# Altium PCB CZ201E_Weld_V2.0.PcbDoc
Units mm, origin at the board's own origin, x right, y up, seen from the top; angles counter-clockwise.
Board outline 58.8 x 55 mm, 2 copper layers (Top Layer, Bottom Layer); 61 components, 39 nets, 197 pads, 0 vias.
Unrouted connection lines stored in the file: 124.
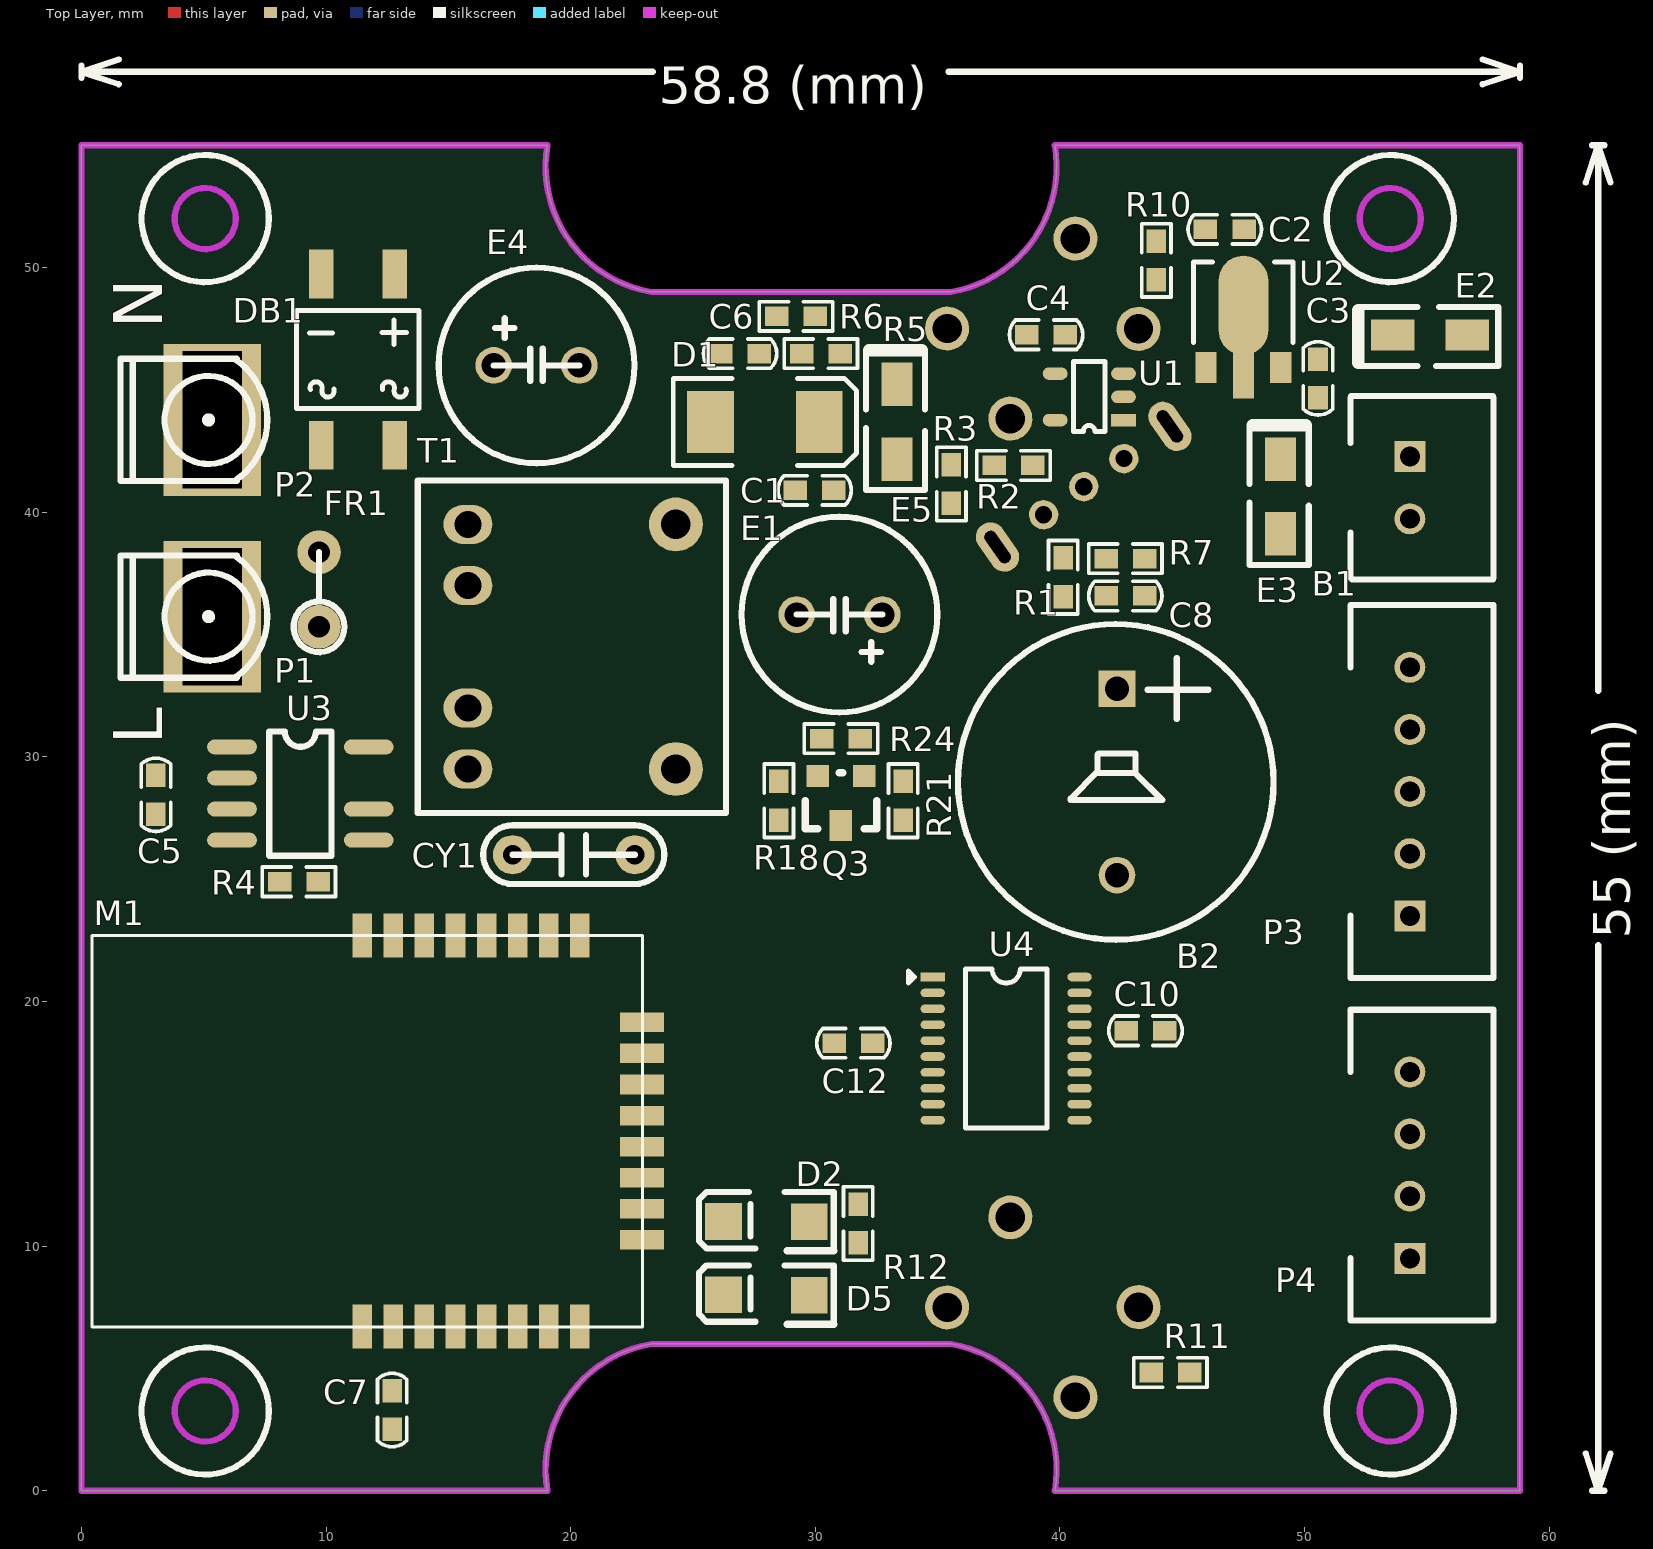
[diagram p0: Top Layer view]
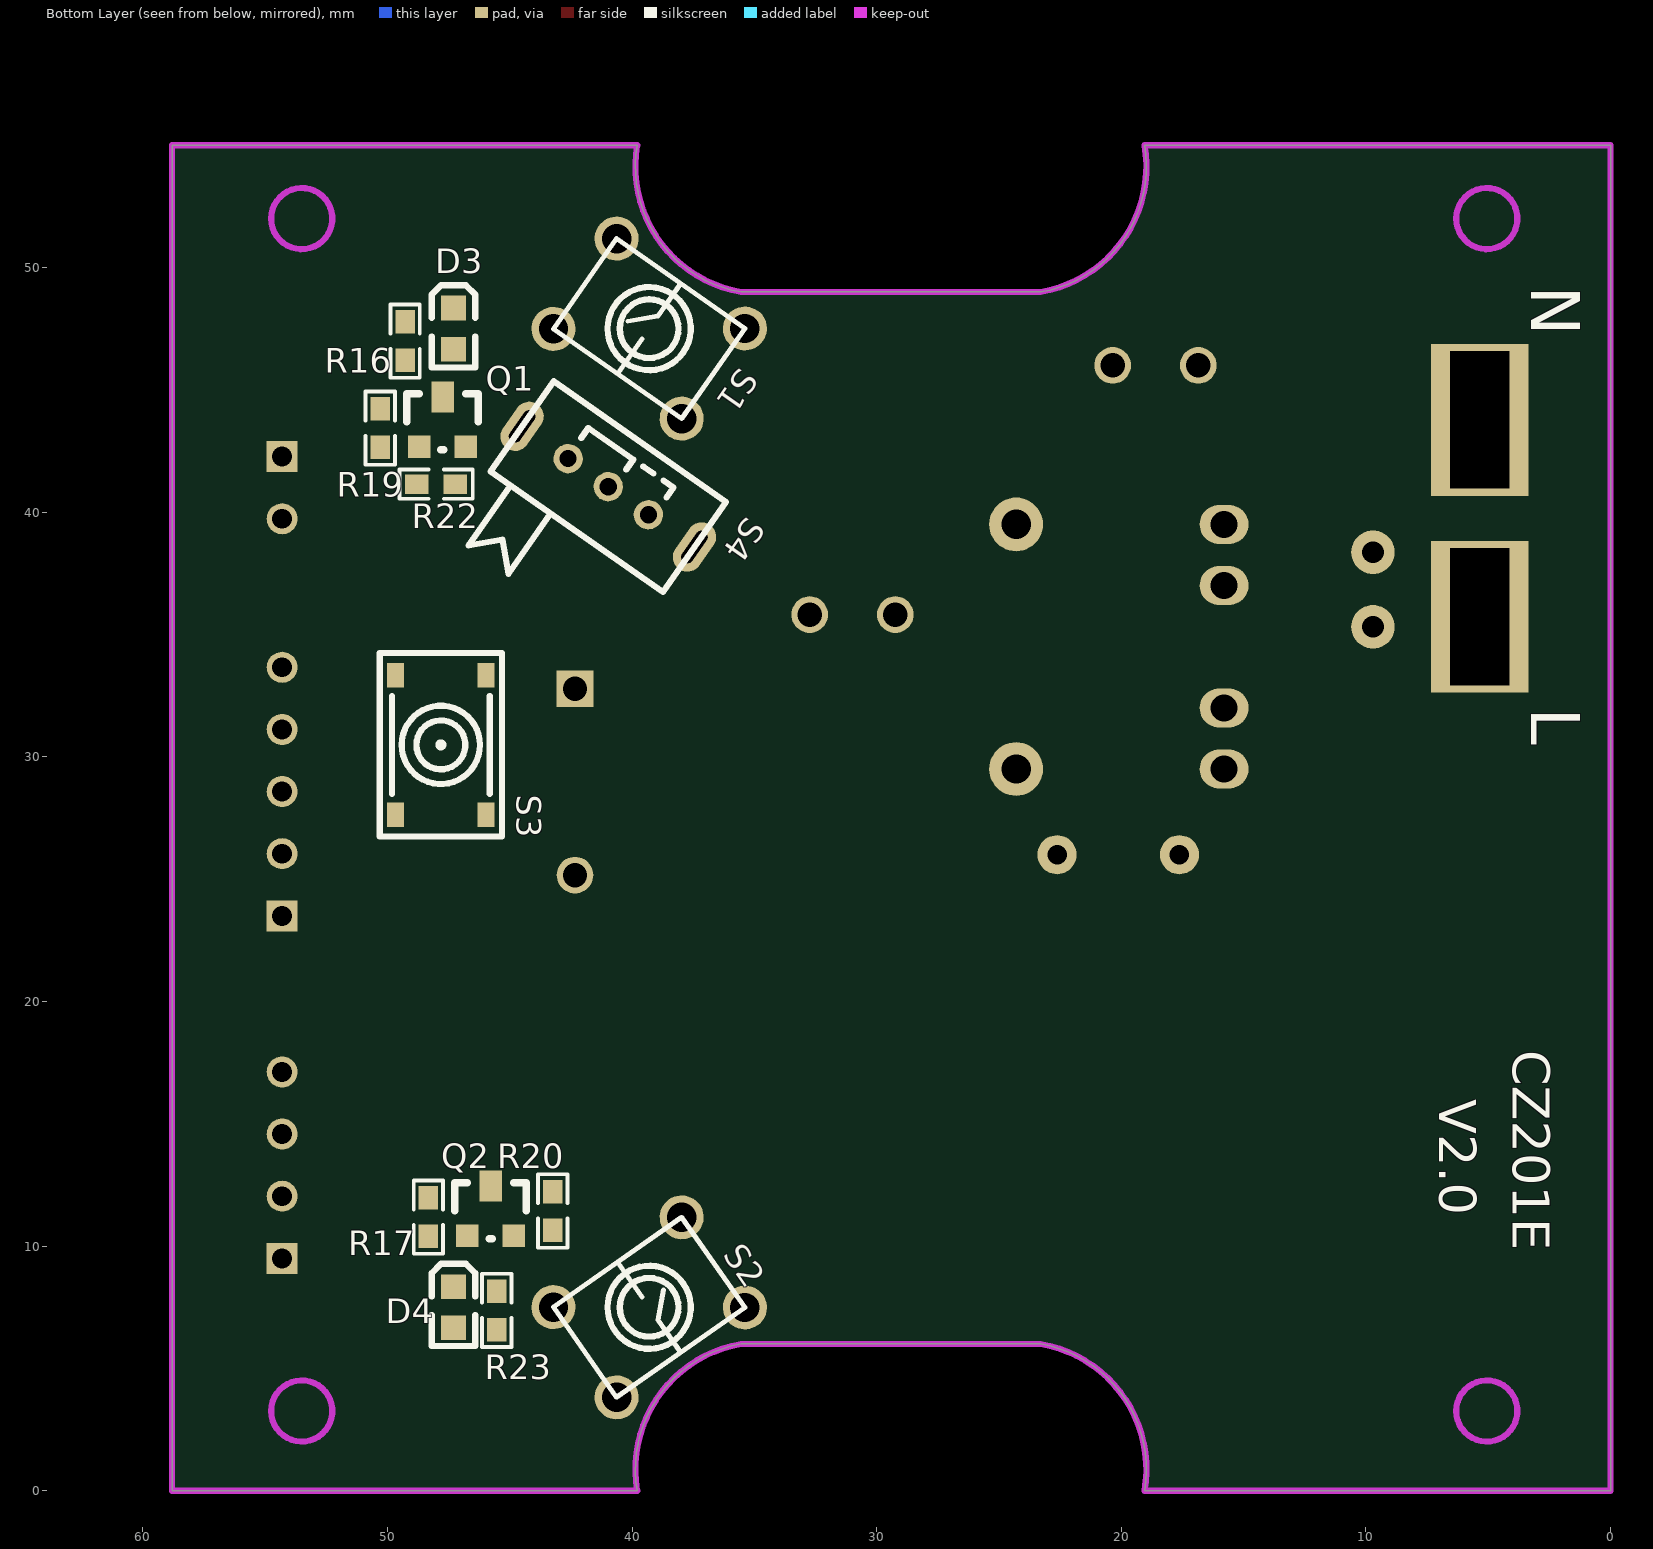
[diagram p1: Bottom Layer view, seen from below]

## Layer stack, top to bottom
Top Layer: signal copper 0.0356
Dielectric: dielectric 0.32, FR-4, Dk 4.8
Bottom Layer: signal copper 0.0356

## Board outline
0,0 0,55 19.05,55 ccw(c24.175,54.125) 23.3,49 35.54,49 ccw(c34.665,54.125) 39.79,55 39.8,55 58.8,55 58.8,0 39.8,0 39.79,0 ccw(c34.665,0.875) 35.54,6 23.3,6 ccw(c24.175,0.875) 19.05,0

## Design rules (kind name [scope] priority, off if disabled: settings)
Clearance "InPoygon to Keep-Out Layer" [InPolygon vs OnLayer('Keep-Out Layer')] p1: gap=0.5
Clearance "GND to Keep-Out Layer" [InNet('GND') vs OnLayer('Keep-Out Layer')] p2: gap=0.3
Clearance "GND to InPoygon" [InNet('GND') vs InPolygon] p3: gap=0.5
Clearance "InPoygon to All" [InPolygon] p4: gap=0.305
Clearance [All] p5: gap=0.254
HoleToHoleClearance [All] p1: gap=0 allowstackedmicrovias=TRUE
MinimumSolderMaskSliver [All] p1: minsoldermaskwidth=0
PolygonConnect IsVia [IsVia] p1: connectstyle=Direct reliefconductorwidth=0.254 reliefentries=4 polygonreliefangle="90 Angle"
PolygonConnect IsSMDPad [All] p2: connectstyle=Direct reliefconductorwidth=0.254 reliefentries=4 polygonreliefangle="90 Angle"
PolygonConnect [All] p3: connectstyle=Relief reliefconductorwidth=0.508 reliefentries=4 polygonreliefangle="90 Angle"
RoutingVias [All] p1: holewidth=0.711 width=1.27 viastyle="Through Hole" minholewidth=0.711 minwidth=1.27 maxholewidth=0.711 maxwidth=1.27
SilkToSilkClearance [All] p1: silktosilkclearance=0
SilkscreenOverComponentPads [All] p1: minsilkscreentomaskgap=0
SolderMaskExpansion [All] p1: expansion=0.102
Width [All] p1: maxlimit=2.54 minlimit=0.254 preferedwidth=0.254
24 further rules are at their usual default settings.

## Components (designator, comment, footprint, x,y, rotation, side; value= is the part's Value field where it differs from the comment)
B1 "3.7V" XH2.54-2P-BAT 54.3,41 r90 top locked
B2 "BUZZER" BEEZ 43.5,29 r0 top locked
C1 "100nF" 0603_CN 29.972,40.894 r180 top
C2 "100nF" 0603_CN 46.736,51.562 r180 top
C3 "100nF" 0603_CN 50.546,45.466 r270 top
C4 "100nF" 0603_CN 39.432,47.252 r180 top
C5 "1uF" 0603_CN 3.048,28.448 r270 top
C6 "100nF" 0603_CN 26.924,46.482 r180 top
C7 "100nF" 0603_CN 12.7,3.302 r90 top
C8 "100nF" 0603_CN 42.672,36.576 r0 top
C10 "100nF" 0603_CN 43.496,18.804 r0 top
C12 "100nF" 0603_CN 31.558,18.296 r180 top
CY1 "102M/1KV" CY-5MM 20.128,26 r0 top
D1 "SS24" DO-214AC(SMA) 27.94,43.688 r180 top
D2 "1N4148" LL-34 28,11 r0 top
D3 "Red" 0603_LED 47.3,47.5 r270 bottom locked
D4 "Green" 0603_LED 47.3,7.5 r270 bottom locked
D5 "1N4148" LL-34 28,8 r0 top
DB1 "MB10F" MB10F 11.3,46.236 r90 top
E1 "470uF/10V" CS_470uF/16V 30.988,35.814 r180 top
E2 "10uF/6.3V" 3216_E 55.118,47.244 r0 top
E3 "10uF/6.3V" 3216_E 49.022,40.64 r270 top
E4 "4.7uF/400V" CS_220uF/25V 18.604,46 r0 top
E5 "10uF/6.3V" 3216_E 33.336,43.696 r270 top
FR1 "10R/0.5W" R0.12L 9.714,35.314 r90 top
M1 "E18-MS1PA2-IPX" E18-MS1PA2-IPX 17.2,14.7 r180 top
P1 "L" CP3M-6*5*8.5MM 4.6,35.73 r270 top locked
P2 "N" CP3M-6*5*8.5MM 4.6,43.77 r270 top locked
P3 "SWD" XH2.54-5P 54.3,23.5 r90 top locked
P4 "ISP" XH2.54-4P 54.3,9.5 r90 top locked
Q1 "S8050" SOT-23 47.752,43.688 r180 bottom
Q2 "S8050" SOT-23 45.782,11.438 r180 bottom
Q3 "S8050" SOT-23 31.05,28.202 r180 top
R1 "1M" 0603_RN 40.132,37.338 r90 top
R2 "1.65K" 0603_RN 38.1,41.91 r0 top
R3 "1.2K" 0603_RN 35.56,41.148 r90 top
R4 "110K/1%" 0603_RN 8.89,24.892 r0 top
R5 "10K" 0603_RN 30.226,46.482 r0 top
R6 "20K" 0603_RN 29.21,48.006 r0 top
R7 "1M" 0603_RN 42.672,38.1 r180 top
R10 "100K" 0603_RN 43.942,50.292 r270 top
R11 "100K" 0603_RN 44.512,4.834 r0 top
R12 "100K" 0603_RN 31.75,10.922 r270 top
R16 "1K" 0603_RN 49.276,46.99 r90 bottom
R17 "1K" 0603_RN 48.322,11.184 r270 bottom
R18 "33R" 0603_RN 28.51,28.202 r90 top
R19 "10K" 0603_RN 50.292,43.434 r270 bottom
R20 "10K" 0603_RN 43.242,11.438 r90 bottom
R21 "10K" 0603_RN 33.59,28.202 r270 top
R22 "100K" 0603_RN 48.006,41.148 r0 bottom
R23 "100K" 0603_RN 45.528,7.374 r90 bottom
R24 "100K" 0603_RN 31.05,30.742 r0 top
S1 "SW-4" KEY-6*6MM-DIP 39.3,47.5 r215 bottom locked
S2 "SW-4" KEY-6*6MM-DIP 39.3,7.5 r325 bottom locked
S3 "SW-4" KEY-4*4*1.5MM-SMD 47.814,30.488 r90 bottom
S4 "SK12D07VG3" SK12D07VG3 41,41 r215 bottom locked
T1 "EE12.7 5+5(V)" "EE12.7 5+5(V)" 15.8,39.5 r0 top locked
U1 "TP4054" SOT-23-5 41.2,44.712 r180 top
U2 "HT7333-A" SOT-89 47.498,45.912 r0 top
U3 "LP3667B" SOP7 8.952,28.5 r0 top
U4 "STM32F030F4P6" TSSOP20 34.8,21 r0 top

## Footprints (in the part's own frame and the unit in brackets; to place one, negate y for a bottom-side part, rotate by r counter-clockwise, add the part's x,y. Pads: shape width x height; smd on the part's side, far side on the other; paste and mask are expansions set on the pad)
0603_CN [mm] "SMD Resistor"
  rect 0.96x0.8 smd: 1(-0.79,0) 2(0.79,0)
  silkscreen extent -1.5,-0.6 1.5,0.6
0603_LED [mil] "SMD LED"
  rect 40x40 smd: A(33,0) K(-33,0)
  silkscreen extent -70,-35 63,35
0603_RN [mm] "SMD Resistor"
  rect 0.96x0.8 smd: 1(-0.79,0) 2(0.79,0)
  silkscreen extent -1.5,-0.6 1.5,0.6
3216_E [mm] "SMD Tantalum Capacitor"
  rect 1.78x1.27 smd: 1(-1.525,0) 2(1.525,0)
  silkscreen extent -2.92,-1.27 2.79,1.14
BEEZ [mm]
  rect 1.5x1.5 hole 1: 1(-1.168,3.785)
  round 1.5 hole 1: 2(-1.168,-3.835)
  silkscreen extent -7.67,-6.48 5.23,6.43
CP3M-6*5*8.5MM [mm]
  rect 3x4 hole 2.4 square: 1(-1.6,0.75) 1(0,0.75) 1(1.6,0.75)
  silkscreen extent -2.5,-3 2.5,3
CS_220uF/25V [mm] "PTH  Electrolytic  Capacitor"
  round 1.5 hole 1: 1(-1.75,0) 2(1.75,0)
  silkscreen extent -4,-4 4,4
CS_470uF/16V [mm] "PTH  Electrolytic  Capacitor"
  round 1.5 hole 1: 1(-1.75,0) 2(1.75,0)
  silkscreen extent -4,-4 4,4
CY-5MM [mm]
  round 1.6 hole 0.8: 1(-2.5,0) 2(2.5,0)
  silkscreen extent -3.7,-1.2 3.7,1.2
DO-214AC(SMA) [mil] "SMD Diode"
  rect 75x100 smd: A(87.5,0) K(-87.5,0)
  silkscreen extent -147,-70 148,70
E18-MS1PA2-IPX [mm] "22.5mm*16mm*2.40mm-S"
  rect 0.8x1.8 smd: 1(5.716,7.987) 2(4.446,7.987) 3(3.176,7.987) 4(1.906,7.987) 5(0.636,7.987) 6(-0.634,7.987) 7(-1.904,7.987) 8(-3.174,7.987) 17(-3.174,-7.987) 18(-1.904,-7.987) 19(-0.634,-7.987) 20(0.636,-7.987) 21(1.906,-7.987) 22(3.176,-7.987) 23(4.446,-7.987) 24(5.716,-7.987)
  rect 1.8x0.8 smd: 9(-5.716,4.445) 10(-5.716,3.175) 11(-5.716,1.905) 12(-5.716,0.635) 13(-5.716,-0.635) 14(-5.716,-1.905) 15(-5.716,-3.175) 16(-5.716,-4.445)
  silkscreen extent -5.73,-8 16.77,8
"EE12.7 5+5(V)" [mm]
  oval 2x1.6 hole 1.1: 1(0,0) 2(0,-2.5) 4(0,-7.5) 5(0,-10)
  round 2.2 hole 1.2: 6(8.5,-10) 10(8.5,0)
  silkscreen extent -2.05,-11.8 10.55,1.8
KEY-4*4*1.5MM-SMD [mm] "SMD"
  rect 1x0.7 smd: 1(-2.85,1.85) 2(-2.85,-1.85) 3(2.85,-1.85) 4(2.85,1.85)
  silkscreen extent -3.75,-2.5 3.75,2.5
KEY-6*6MM-DIP [mm]
  round 1.8 hole 1.2: 1(-3.2,2.25) 2(-3.2,-2.25) 3(3.2,-2.25) 4(3.2,2.25)
  silkscreen extent -3.2,-2.25 3.2,2.25
LL-34 [mm] "SMD Diode"
  rect 1.5x1.5 smd: A(1.75,-0.008) K(-1.75,0.008)
  silkscreen extent -2.75,-1.19 2.75,1.21
MB10F [mm]
  rect 2x1 smd: 1(-3.5,1.5) 2(-3.5,-1.5) 3(3.5,-1.5) 4(3.5,1.5)
  silkscreen extent -2,-2.5 2,2.5
R0.12L [mil]
  round 70 hole 35: 1(0,0) 2(120,0)
  silkscreen extent -41,-41 120,41
SK12D07VG3 [mm]
  oval 1.2x2.2 hole 0.5 slot 1.5 at 90 deg: 0(-4.3,0.05) 0(4.3,0.05)
  round 1.2 hole 0.7: 1(-2,0.05) 2(0,0.05) 3(2,0.05)
  silkscreen extent -4.3,-5.2 4.3,2.3
SOP7 [mil]
  oval 80x24 smd: 1(-110,75) 2(-110,25) 3(-110,-25) 4(-110,-75) 5(110,-75) 6(110,-25) 7(110,75)
  silkscreen extent -50,-100 50,100
SOT-23 [mil] "SMD Triode Or Diode"
  rect 36x36 smd: 1(-37.5,-40) 2(37.5,-40)
  rect 36x50 smd: 3(0.5,40)
  silkscreen extent -58,-45 58,45
SOT-23-5 [mil]
  rect 40x20 smd: 1(-55,37.4)
  oval 40x20 smd: 2(-55,0) 3(-55,-37.4) 4(55,-37.4) 5(55,37.4)
  silkscreen extent -25,-57 26,55
SOT-89 [mil] "SMD Diode"
  rect 34x50 smd: 1(-60,0) 3(60,0)
  rect 34x100 smd: 2(0,0)
  oval 80x160 smd: 2(0,100)
  silkscreen extent -80,40 80,170
TSSOP20 [mm]
  rect 1x0.35 smd: 1(0,0)
  oval 1x0.35 smd: 2(0,-0.65) 3(0,-1.3) 4(0,-1.95) 5(0,-2.6) 6(0,-3.25) 7(0,-3.9) 8(0,-4.55) 9(0,-5.2) 10(0,-5.85) 11(6,-5.85) 12(6,-5.2) 13(6,-4.55) 14(6,-3.9) 15(6,-3.25) 16(6,-2.6) 17(6,-1.95) 18(6,-1.3) 19(6,-0.65) 20(6,0)
  silkscreen extent -1,-6.17 4.67,0.33
XH2.54-2P-BAT [mil]
  rect 50x50 hole 32: 1(50,0)
  round 50 hole 32: 2(-50,0)
  silkscreen extent -148,-135 148,95
XH2.54-4P [mil]
  rect 50x50 hole 32: 1(0,0)
  round 50 hole 32: 2(100,0) 3(200,0) 4(300,0)
  silkscreen extent -100,-135 400,95
XH2.54-5P [mil]
  rect 50x50 hole 32: 1(0,0)
  round 50 hole 32: 2(100,0) 3(200,0) 4(300,0) 5(400,0)
  silkscreen extent -100,-135 500,95

## Part data
B1: library part BATTERY
C1 C2 C3 C4 C5 C6 C7 C8 C10 C12 CY1: library part Cap1
D1: library part Diode-A, "SS14,SS24,SS34,M7"
D2 D5: library part Diode-B
D3 D4: library part LED
E1 E4: library part "Cap Pol1"
E2 E3 E5: library part "Cap Ta"
FR1 R1 R2 R3 R4 R5 R6 R7 R10 R11 R12 R16 R17 R18 R19 R20 R21 R22 R23 R24: library part Res1
P1 P2: library part "Header 1", "Header, 1-Pin"
P4: library part ISP_UART
Q1 Q2 Q3: library part 8050
U1: library part QX4054, "TP4054,LTC4054 ,PJ4054MR"
U2: library part HT7833, "HT7533; Output 500mA; Iq: 5uA, max= 7uA"
U3: "LP3667A, LP3667B, LP3667AH, LP3667BH"

## Nets (pads, with @x,y where several pads share a name; then routed paths per layer and width w, separated by ;. In a path a pad name is that pad's centre, name@x,y a point inside that pad or via, vN(x,y) a via of type N, cw(c..) or ccw(c..) an arc to the next point about the centre after c; other vN are vias at no path point)
+3.3V: B2.1 C3.1 C7.2 C10.1 C12.1 D3.A D4.A E3.1 M1.2 P3.1 P4.1 R11.2 R12.2 S1.1 S1.4 U2.3 U4.5 U4.16
+5V: C1.1 C4.1 D1.K E1.1 E5.1 R3.2 R5.2 U1.4
+BAT: B1.1 S4.2 U1.3
+BAT_OUT: C2.1 E2.1 R1.2 S4.3 U2.2
BAT_VOL: C8.1 R1.1 R7.2 U4.7
BUZZER: R21.2 U4.17
E18_UART_RX: D2.K M1.10
GND: B1.2 C1.2 C2.2 C3.2 C4.2 C6.2 C7.1 C8.2 C10.2 C12.2 CY1.2 E1.2 E2.2 E3.2 E5.2 M1.1 M1.7 P3.3 P4.4 Q1.2 Q2.2 Q3.2 R2.1 R3.1 R6.1 R7.1 R10.1 R22.1 R23.1 R24.1 S2.1 S2.4 S3.2 S3.3 T1.6 U1.2 U2.1 U4.1 U4.15
GND_P: C5.2 CY1.1 DB1.4 E4.2 T1.4 U3.7
ISP_UART_RX: D5.K P4.3
KEY1: R10.2 S1.2 S1.3 U4.6
KEY2: R11.1 S2.2 S2.3 U4.10
L: FR1.1 P1.1
LED1: R19.2 U4.13
LED2: R20.2 U4.11
N: DB1.1 P2.1
NetB2_2: B2.2 R18.2
NetC5_1: C5.1 U3.1
NetD1_A: D1.A T1.10
NetD3_K: D3.K R16.2
NetD4_K: D4.K R17.2
NetDB1_2: DB1.2 FR1.2
NetDB1_3: DB1.3 E4.1 T1.1
NetQ1_1: Q1.1 R19.1 R22.2
NetQ1_3: Q1.3 R16.1
NetQ2_1: Q2.1 R20.1 R23.2
NetQ2_3: Q2.3 R17.1
NetQ3_1: Q3.1 R21.1 R24.2
NetQ3_3: Q3.3 R18.1
NetR2_2: R2.2 U1.5
NetR4_1: R4.1 U3.2
NetR4_2: R4.2 T1.5
NetT1_2: T1.2 U3.5 U3.6
NRST: P3.5 S3.1 S3.4 U4.4
PWR_STATE: C6.1 R5.1 R6.2 U4.12
SWCLK: P3.2 U4.20
SWDIO: P3.4 U4.19
UART_RX: D2.A D5.A R12.1 U4.9
UART_TX: M1.11 P4.2 U4.8
pads on no net: M1.3 M1.4 M1.5 M1.6 M1.8 M1.9 M1.12 M1.13 M1.14 M1.15 M1.16 M1.17 M1.18 M1.19 M1.20 M1.21 M1.22 M1.23 M1.24 S4.0 S4.1 U1.1 U3.3 U3.4 U4.2 U4.3 U4.14 U4.18

## Keep-outs
Keep-Out Layer:
  circle w0.254: c53.5,3.26 r1.25
  circle w0.254: c5.06,3.26 r1.25
  circle w0.254: c5.06,52 r1.25
  circle w0.254: c53.5,52 r1.25
  lines w0.254: 39.79,0 ccw(c34.665,0.875) 35.54,6 23.3,6 ccw(c24.175,0.875) 19.05,0 0,0 0,55 19.05,55 ccw(c24.175,54.125) 23.3,49 35.54,49 ccw(c34.665,54.125) 39.79,55 ; 39.8,0 58.8,0 58.8,55 39.8,55

## Other copper
Multi-Layer:
  pour cut-out: 53.5,49.4 cw(c53.5,52) 50.9,52 cw(c53.5,52) 53.5,54.6 cw(c53.5,52) 56.1,52 cw(c53.5,52)
  pour cut-out: 50.9,3.26 ccw(c53.5,3.26) 53.5,0.66 ccw(c53.5,3.26) 56.1,3.26 ccw(c53.5,3.26) 53.5,5.86 ccw(c53.5,3.26)

## Silkscreen, mask and mechanical layers (free items; w line width, h text height)
Top Overlay:
  circle w0.254: c5.06,3.26 r2.6
  circle w0.254: c53.5,52 r2.6
  circle w0.254: c5.06,52 r2.6
  circle w0.254: c53.5,3.26 r2.6
  lines w0.254: 0,57.746 0,58.254 ; 1.524,57.492 0,58 ; 1.524,58.508 0,58 ; 23.352,58 0,58 ; 35.448,58 58.8,58 ; 57.276,57.492 58.8,58 ; 57.276,58.508 58.8,58 ; 58.8,57.746 58.8,58.254 ; 61.492,1.524 62,0 ; 61.492,53.476 62,55 ; 61.746,0 62.254,0 ; 61.746,55 62.254,55 ; 62,22.301 62,0 ; 62,32.699 62,55 ; 62.508,1.524 62,0 ; 62.508,53.476 62,55
  text "58.8 (mm)" at 23.606,56.687 h1.52
  text "N" at 3.3,47.5 h2 r90
  text "L" at 3.3,30.5 h2 r90
  text "55 (mm)" at 63.313,22.555 h1.52 r90
Bottom Overlay:
  circle w0.254: c39.3,7.5 r1.2
  circle w0.254: c39.3,47.5 r1.2
  text "N" at 3.25,49.25 h2 r90
  text "L" at 3.25,32 h2 r90
  text "CZ201E" at 4,18 h1.52 r90
  text "V2.0" at 7,16 h1.52 r90